# KiCad board central-control-unit.kicad_pcb (continued)
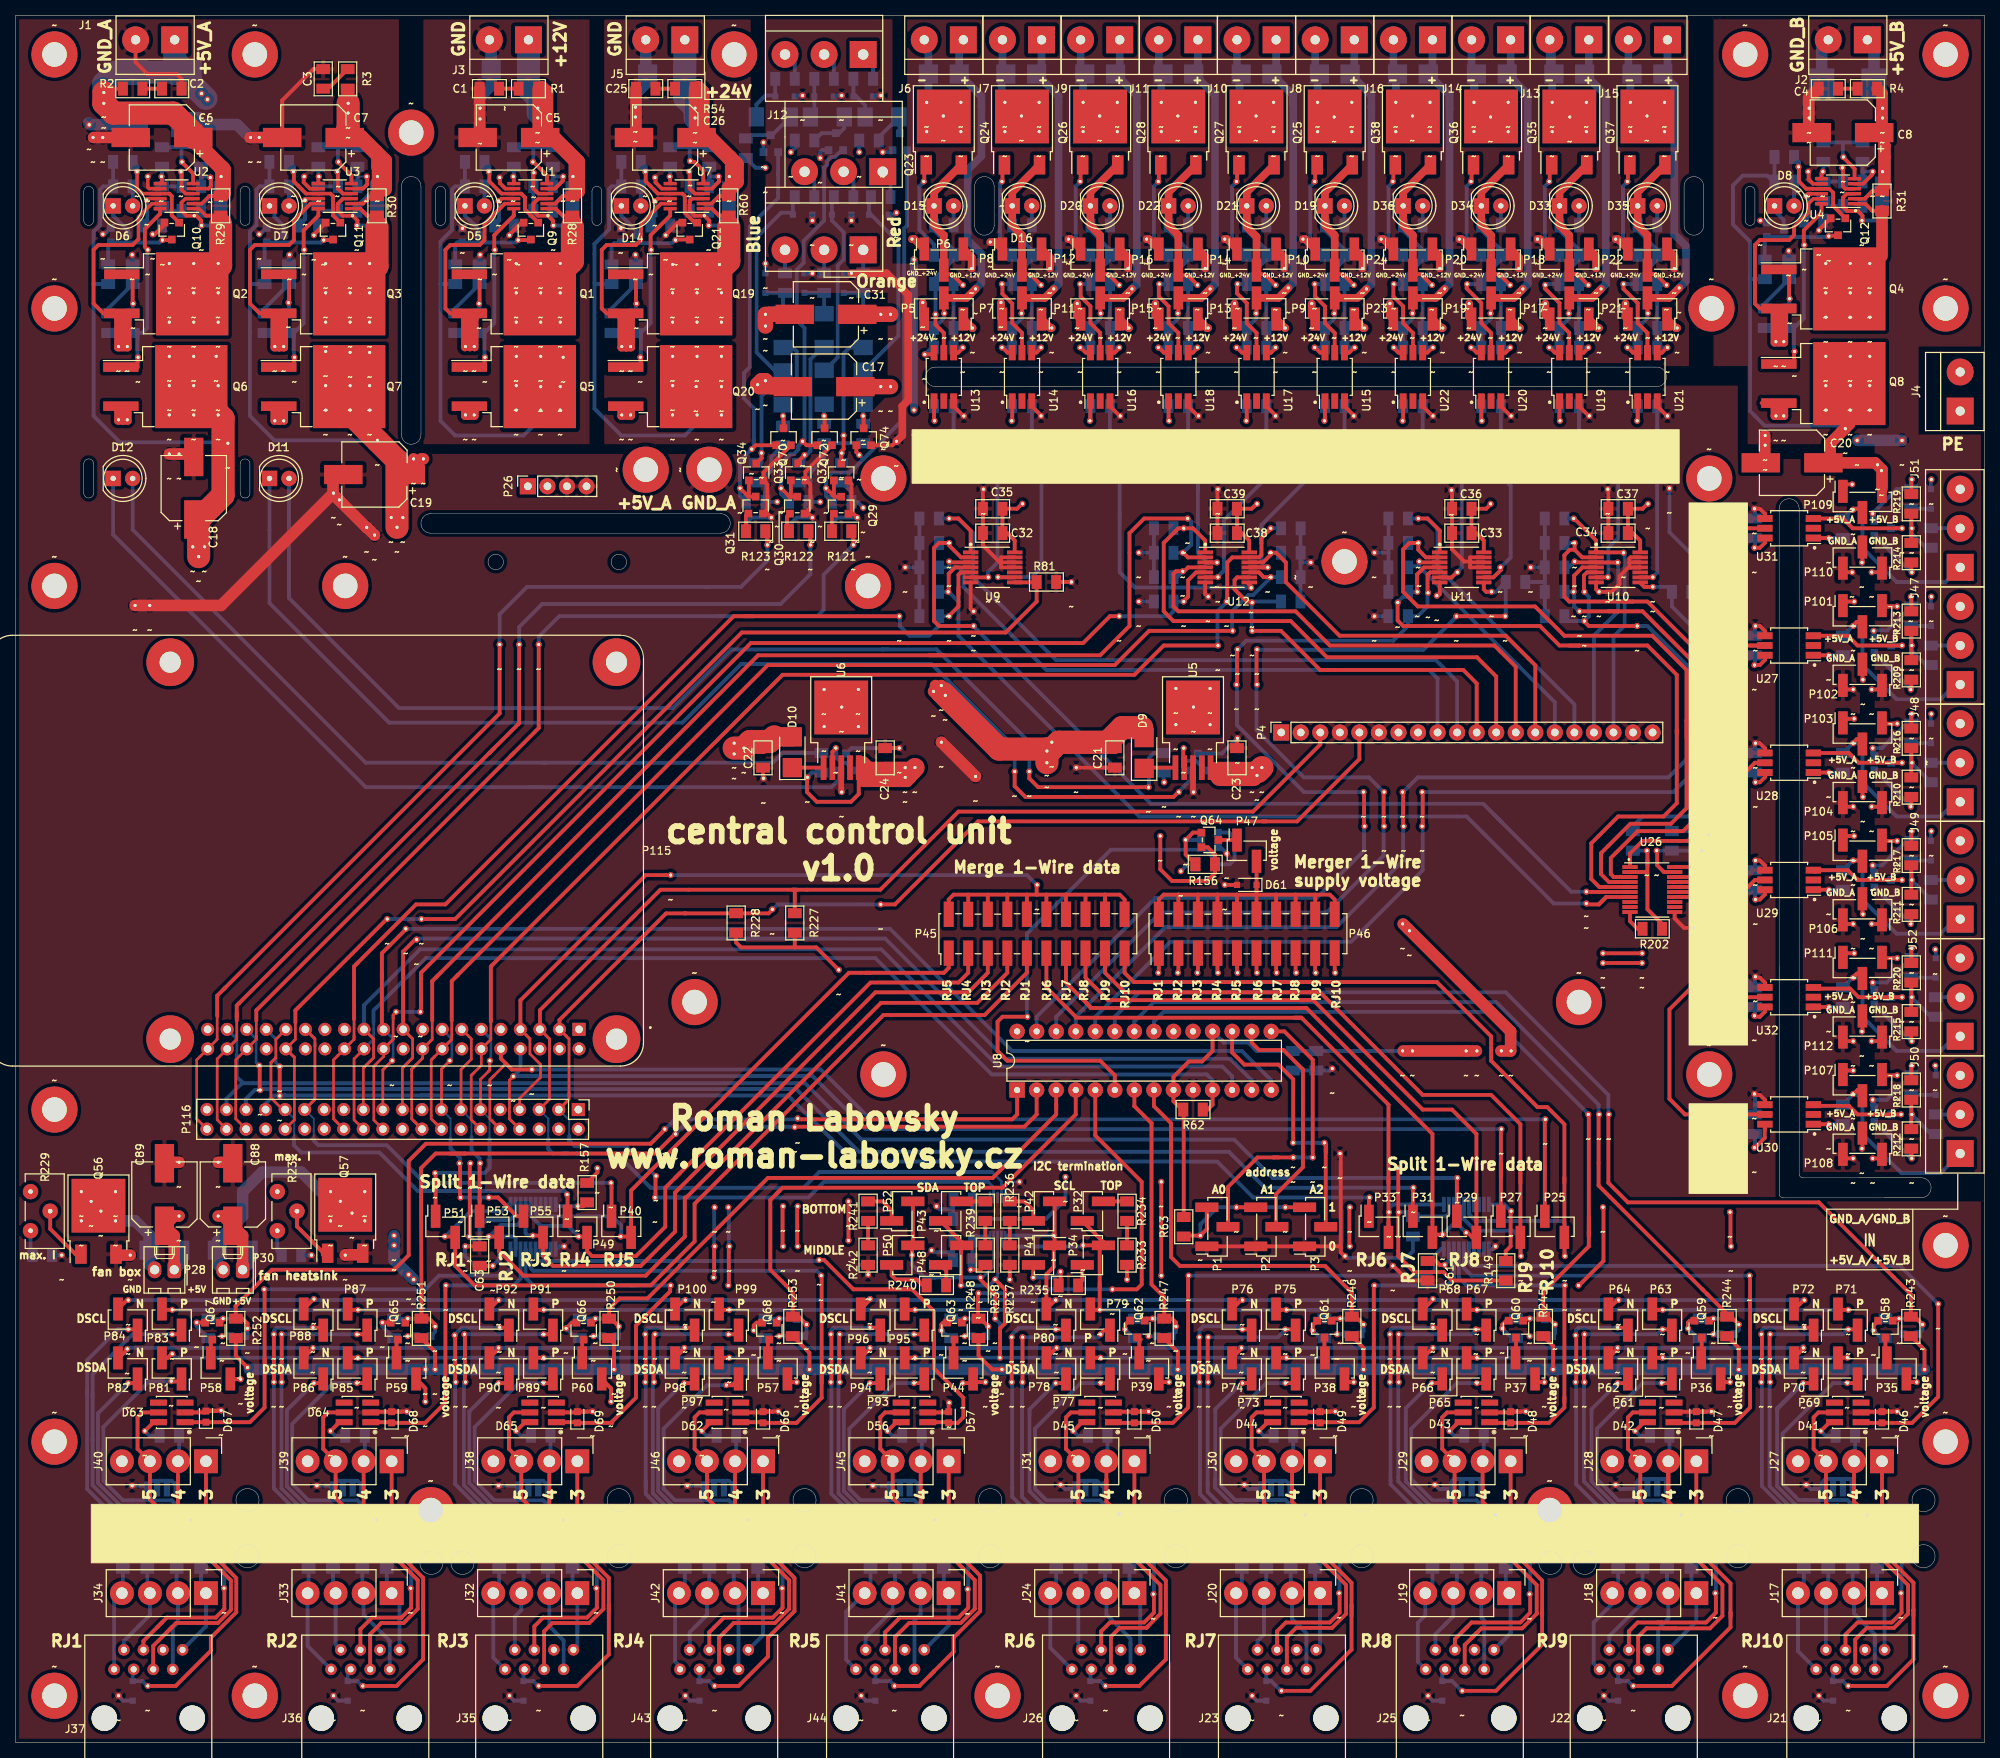
[diagram p0: board, top side]
## Routing (per net, layer and track width the routed paths; a pad name or vN(x,y) marks a point on that pad's centre or on a via; arc(x,y) is an arc through that point) (continued)
Net-(D78-Pad2): length 34.3
  Top w0.5: 136.12,46.86 P78.1 ; P78.1 136,46.74 ~#155.~ ; P78.1 136.42,47.37
  Bottom w0.5: D78.2 140.34,28.96 ; D78.2 140.34,26.42 R179.2 ; D78.2 140.34,30.16 139.7,30.8 133.7,30.8 131.79,32.7 131.79,43.34 ~#155.~
Net-(D78-Pad3): length 47.2
  Top w0.5: 140.97,53.09 141.5,53.62 P79.1 142.14,53.62 ; 130.87,48.64 130.87,49.02 ; 130.87,49.02 ~#1049.~ ; 130.87,49.02 ~#237.~
  Bottom w0.5: 130.81,33.21 130.81,46.55 130.87,46.61 ~#1049.~ ; 130.81,33.21 130.81,32.77 ; 130.81,33.21 130.81,31.94 132.65,30.1 138.56,30.1 139.07,29.59 D78.3 139.07,25.78 R180.2 ; 131.21,52.69 140.73,52.69 140.97,52.92 140.97,53.09
Net-(D78-Pad4): length 44.4
  Top w0.5: 135.26,53.72 136.42,53.72 P80.1 ; 129.48,49.15 ~#238.~ ; 129.48,49.15 129.48,48.64 ; 129.48,49.15 ~#236.~
  Bottom w0.5: 129.54,32.97 129.54,33.21 ; 129.54,33.21 129.54,31.94 132.08,29.4 134.62,29.4 ; 129.54,33.21 129.54,46.55 129.48,46.61 ~#238.~ ; 134.62,29.4 133.75,29.4 ; 134.62,29.4 137.36,29.4 137.8,28.96 D78.4 137.58,27.47 R181.2 ; 129.54,53.09 130.39,53.94 135.04,53.94 135.26,53.72
Net-(D79-Pad1): length 39.4
  Top w0.5: P81.1 21.27,46.95 20.32,46.95
  Bottom w0.5: 20.32,46.95 17.36,46.95 11.43,41.02 11.43,37.85 ; 11.43,37.85 11.43,34.04 13.97,31.5 15.24,31.5 ; 11.43,37.85 11.43,38.48 ; 15.24,31.5 20.32,31.5 20.95,30.86 D79.1 21.81,27.47 R182.2 ; 15.24,31.5 14.6,31.5
Net-(D79-Pad2): length 32.5
  Top w0.5: ~#83.~ 15.35,46.74 P82.1 15.56,46.95
  Bottom w0.5: ~#83.~ 10.73,42.8 10.73,33.75 13.68,30.8 19.12,30.8 19.69,30.23 D79.2 19.69,26.42 R183.2
Net-(D79-Pad3): length 44.8
  Top w0.5: 21.48,53.72 P83.1 21.06,53.09 20.32,53.09
  Bottom w0.5: 10.03,39.25 10.03,33.46 13.39,30.1 17.91,30.1 18.41,29.59 D79.3 18.41,26.42 R184.2 ; 10.03,39.25 10.03,44.96 ; 10.03,39.25 10.03,39.62 ; 18.41,53.09 20.32,53.09 ; 18.41,53.09 17.78,53.09 ; 18.41,53.09 15.24,53.09 10.03,47.88 10.03,44.96 ; 10.03,44.96 10.03,45.34
Net-(D79-Pad4): length 40.7
  Top w0.5: P84.1 15.77,53.72 14.6,53.72
  Bottom w0.5: 9.33,45.27 9.33,49.72 13.33,53.72 14.6,53.72 ; 9.33,45.27 9.33,32.96 13.33,28.96 17.15,28.96 D79.4 16.29,27.47 R185.2 ; 9.33,45.27 9.33,45.91
Net-(D80-Pad1): length 37.8
  Top w0.5: P85.1 45.19,46.74 44.45,46.74
  Bottom w0.5: 44.45,46.74 41.27,46.74 35.97,41.44 35.97,33.62 38.1,31.5 44.45,31.5 45.09,30.86 D80.1 45.94,27.47 R186.2
Net-(D80-Pad2): length 32.7
  Top w0.5: 39.6,46.86 P86.1 ; P86.1 39.83,47.09 ; P86.1 39.48,46.74 ~#189.~
  Bottom w0.5: R187.2 43.81,26.42 D80.2 43.81,30.23 43.25,30.8 37.81,30.8 35.27,33.33 35.27,43.21 38.93,46.86
Net-(D80-Pad3): length 46.5
  Top w0.5: 44.45,53.09 45.19,53.09 P87.1 ; 34.61,49.4 ~#191.~ ; 34.61,49.4 ~#173.~ ; 34.61,49.4 34.61,48.77
  Bottom w0.5: R188.2 42.55,26.42 D80.3 42.55,29.59 42.04,30.1 37.52,30.1 34.57,33.04 34.57,46.83 ~#191.~ ; 44.45,53.09 34.54,53.09
Net-(D80-Pad4): length 43.5
  Top w0.5: 33.59,48.77 33.59,49.02 ; 33.59,49.02 ~#1005.~ ; 33.59,49.02 ~#190.~ ; 38.73,53.94 39.68,53.94 P88.1
  Bottom w0.5: D80.4 40.42,27.47 R189.2 ; D80.4 41.27,28.96 40.84,29.4 37.23,29.4 33.76,32.87 ; D80.4 41.27,28.32 ; 33.76,32.87 33.66,32.97 ; 33.76,32.87 33.59,33.03 ~#1005.~ ; 33.66,53.09 33.66,53.65 33.94,53.94 38.73,53.94
Net-(D81-Pad1): length 38.1
  Top w0.5: P89.1 69.32,46.74 68.58,46.74
  Bottom w0.5: 68.58,46.74 65.41,46.74 59.69,41.02 59.69,34.04 62.23,31.5 68.58,31.5 69.22,30.86 D81.1 70.07,27.47 R190.2
Net-(D81-Pad2): length 33
  Top w0.5: ~#171.~ 63.61,46.74 P90.1 ; 63.73,46.86 P90.1 ; P90.1 64.03,47.37
  Bottom w0.5: 62.8,46.86 58.99,43.05 58.99,33.75 61.94,30.8 67.38,30.8 67.94,30.23 D81.2 67.94,26.42 R191.2
Net-(D81-Pad3): length 46.5
  Top w0.5: 58.42,49.09 58.42,46.93 ~#201.~ ; 58.42,49.09 58.42,53.09 ; 58.42,49.09 58.42,48.64 ; P91.1 69.32,53.09 68.58,53.09
  Bottom w0.5: R192.2 66.67,25.78 D81.3 66.67,29.59 66.17,30.1 61.65,30.1 58.29,33.46 58.29,46.68 58.48,46.86 ~#201.~ ; 58.42,53.09 68.58,53.09
Net-(D81-Pad4): length 42.3
  Top w0.5: P92.1 63.81,53.94 62.86,53.94 ; ~#202.~ 57.15,46.93 57.15,52.87
  Bottom w0.5: ~#202.~ 57.21,46.61 57.15,46.55 57.15,33.61 61.36,29.4 64.98,29.4 65.41,28.97 D81.4 64.55,27.47 62.86,25.78 R193.2 ; 62.86,53.94 58,53.94 57.15,53.09
Net-(D82-Pad1): length 37.8
  Top w0.5: P93.1 117.58,46.74 116.84,46.74
  Bottom w0.5: R194.2 118.33,27.47 D82.1 117.48,30.86 116.8,31.54 109.82,31.54 108.36,32.99 108.36,40.8 114.3,46.74 116.84,46.74
Net-(D82-Pad2): length 32.9
  Top w0.5: ~#160.~ 111.86,46.74 P94.1 ; 112.29,47.37 P94.1 ; P94.1 111.99,46.86
  Bottom w0.5: R195.2 116.2,26.42 D82.2 116.2,30.2 115.57,30.84 109.53,30.84 107.66,32.7 107.66,43.34 ~#160.~
Net-(D82-Pad3): length 46.7
  Top w0.5: 107.06,49.34 107.06,53.09 ; 107.06,49.34 107.06,46.93 ~#226.~ ; 107.06,49.34 107.06,48.64 ; 116.84,53.09 117.58,53.09 P95.1
  Bottom w0.5: ~#226.~ 107,46.86 106.96,46.9 106.96,32.41 109.24,30.14 114.39,30.14 114.94,29.59 D82.3 114.94,25.78 R196.2 ; 107.06,53.09 116.84,53.09
Net-(D82-Pad4): length 44.9
  Top w0.5: 111.12,53.94 112.08,53.94 P96.1 ; 106.05,53.09 106.05,49.09 ; 106.05,49.09 106.05,46.93 ~#225.~ ; 106.05,49.09 106.05,48.64
  Bottom w0.5: 111.12,53.94 106.33,53.94 ; 106.33,53.94 106.05,53.65 ; 106.33,53.94 106.05,53.65 ; 106.33,53.94 108.37,53.94 ; ~#225.~ 105.98,46.61 106.05,46.55 106.05,32.34 108.95,29.44 113.2,29.44 113.66,28.97 D82.4 113.44,27.47 R197.2 ; 106.05,53.09 106.05,53.65
Net-(D83-Pad1): length 37.8
  Top w0.5: 93.98,47.27 93.17,46.45 92.36,46.45
  Bottom w0.5: 92.36,46.45 89.89,46.45 84.23,40.8 84.23,32.99 85.72,31.5 92.71,31.5 93.34,30.86 D83.1 94.2,27.47 R198.2
Net-(D83-Pad2): length 33
  Top w0.5: ~#163.~ 87.73,46.74 P98.1 ; 87.86,46.86 P98.1 ; P98.1 88.16,47.37
  Bottom w0.5: R199.2 92.08,26.42 D83.2 92.08,30.23 91.51,30.8 85.44,30.8 83.53,32.7 83.53,43.47 86.93,46.86
Net-(D83-Pad3): length 45.9
  Top w0.5: ~#212.~ 82.93,46.93 82.93,53.05 82.97,53.09 ; 92.71,53.09 93.45,53.09 93.98,53.62
  Bottom w0.5: 82.97,53.09 92.71,53.09 ; R200.2 90.8,25.78 D83.3 90.8,29.59 90.3,30.1 85.15,30.1 82.83,32.41 82.83,46.7 ~#212.~
Net-(D83-Pad4): length 45
  Top w0.5: P100.1 87.94,53.94 87,53.94 ; 81.91,53.09 81.91,46.93 ~#211.~
  Bottom w0.5: D83.4 89.53,28.96 ; D83.4 88.68,27.47 87,25.78 R201.2 ; D83.4 89.53,28.97 89.11,29.4 84.86,29.4 81.91,32.34 81.91,34.04 ; 87,53.94 82.13,53.94 81.91,53.72 81.91,53.09 ; 81.91,34.04 81.91,46.55 81.85,46.61 ~#211.~ ; 81.91,34.04 81.91,32.97
Net-(D90-Pad1): length 6.8
  Bottom w0.5: 98.74,216.41 98.74,214.12 97.47,214.12 96.29,212.94 D90.1
Net-(D90-Pad2): length 6.9
  Bottom w0.5: D90.2 98.33,208.97 Q69.3 95.62,208.97 95.19,208.53 R254.2
Net-(D91-Pad1): length 27.8
  Bottom w0.5: D91.1 98.74,178.31 96.33,180.72 96.33,195.71 99.5,198.88 101.03,198.88 101.03,200.91 101.28,201.17
Net-(D91-Pad2): length 4.3
  Top w0.5: ~#1114.~ 99.82,172.4 Q70.3
  Bottom w0.5: R255.2 D91.2
Net-(D92-Pad2): length 6.7
  Bottom w0.5: 112.46,208.28 R256.2 112.2,208.71 D92.2 114.93,211.22 Q71.3 114.83,209.32
Net-(D93-Pad1): length 24.6
  Bottom w0.5: 106.36,201.17 106.11,200.91 106.11,197.87 107.63,196.34 107.63,192.79 106.86,192.01 106.86,180.07 105.17,178.39 D93.1
Net-(D93-Pad2): length 4.8
  Top w0.5: Q72.3 105.16,172.4 ~#1113.~
  Bottom w0.5: 105.09,172.72 D93.2 104.84,173.74 ; 105.09,172.72 ~#1113.~ ; 105.09,172.72 R257.2
Net-(D94-Pad1): length 5.3
  Bottom w0.5: 103.82,216.41 103.82,211.84 D94.1
Net-(D94-Pad2): length 6.3
  Bottom w0.5: D94.2 107.71,209.89 107.05,209.23 Q73.3 104.77,209.23 R258.2 104.08,208.28
Net-(D95-Pad2): length 4.2
  Top w0.5: ~#1116.~ 110.24,172.4 Q74.3
  Bottom w0.5: D95.2 R259.2
Net-(D100-Pad1): length 6.4
  Bottom w0.5: 108.9,216.41 108.9,213.87 108.9,214.12 109.16,214.12 110.43,212.85 D92.1
Net-(D101-Pad1): length 26.4
  Bottom w0.5: D95.1 110.25,178.39 114.74,182.88 114.74,195.07 110.93,198.88 110.93,200.91 111.19,201.17
Net-(J47-Pad1): length 24.6
  Top w0.5: 238.76,145.16 239.29,145.69 240.03,145.69
  Bottom w0.5: 237.49,143.89 238.76,145.16 239.4,145.16 240.03,144.53 240.03,140.08 244.48,135.64 250.19,135.64 252.09,137.54 J47.1
Net-(J47-Pad2): length 3.8
  Bottom w0.5: J47.2 R221.1
Net-(J48-Pad1): length 24.6
  Top w0.5: 240.03,130.45 239.29,130.45 238.76,129.92
  Bottom w0.5: J48.1 252.09,122.3 250.19,120.4 244.48,120.4 240.03,124.84 240.03,129.29 239.4,129.92 238.76,129.92 R204.1
Net-(J48-Pad2): length 3.8
  Bottom w0.5: R222.1 J48.2
Net-(J49-Pad1): length 24.6
  Top w0.5: 240.03,115.21 239.5,114.68 238.76,114.68
  Bottom w0.5: J49.1 252.09,107.06 250.19,105.16 244.48,105.16 240.03,109.6 240.03,114.05 239.4,114.68 238.76,114.68 R205.1
Net-(J49-Pad2): length 3.8
  Bottom w0.5: 248.92,112.14 J49.2
Net-(J50-Pad1): length 25.2
  Top w0.5: 238.76,84.2 239.4,84.84 239.5,84.73 240.03,84.73
  Bottom w0.5: R206.1 238.76,84.2 239.4,84.2 240.03,83.57 240.03,79.12 245.11,74.04 250.19,74.04 J50.1
Net-(J50-Pad2): length 3.2
  Bottom w0.5: R224.1 J50.2
Net-(J51-Pad1): length 24.6
  Top w0.5: 240.03,160.93 239.5,160.4 238.76,160.4
  Bottom w0.5: J51.1 250.83,150.88 244.48,150.88 240.03,155.32 240.03,159.77 239.4,160.4 238.76,160.4 R207.1
Net-(J51-Pad2): length 3.8
  Bottom w0.5: J51.2 R225.1
Net-(J52-Pad1): length 24.6
  Top w0.5: 238.76,99.44 239.29,99.97 240.03,99.97
  Bottom w0.5: R208.1 238.76,99.44 239.4,99.44 240.03,98.81 240.03,94.36 244.48,89.92 250.19,89.92 252.09,91.82 J52.1
Net-(J52-Pad2): length 3.2
  Bottom w0.5: J52.2 R226.1
Net-(P1-Pad3): length 25.6
  Top w0.5: 165.1,69.6 P3.3 ; 158.75,69.6 P2.3 ; 154.84,68.88 154.84,66.76 ~#114.~ 151.57,65.91 151.45,65.79 ; 154.84,68.88 P1.3 ; 154.84,68.88 154.84,68.22
  Bottom w0.5: 165.1,69.6 156.21,69.6 153.99,67.37 ~#114.~
Net-(P32-Pad2): length 3.1
  Top w0.5: P32.2 R234.2
Net-(P34-Pad1): length 2.8
  Top w0.5: 138.64,62.1 138.64,60.09 138.11,59.56
Net-(P35-Pad1): length 2.7
  Top w0.5: P35.1 243.01,50.21 Q58.3
Net-(P36-Pad1): length 2.7
  Top w0.5: P36.1 219.14,50.08 Q59.3
Net-(P37-Pad1): length 2.7
  Top w0.5: Q60.3 195.01,50.08 P37.1
Net-(P38-Pad1): length 2.7
  Top w0.5: P38.1 170.12,50.08 Q61.3
Net-(P39-Pad1): length 2.5
  Top w0.5: 146.24,52.39 146.05,52.2 P39.1
Net-(P41-Pad2): length 7.3
  Top w0.5: ~#993.~ 135.83,59.82 135.57,59.56 ; 132.29,62.1 132.27,62.08 ~#1001.~
  Bottom w0.5: ~#1001.~ 135.06,60.45 ~#993.~
Net-(P42-Pad1): length 4.9
  Top w0.5: R236.1 131.13,70.36 132.29,69.19 P42.1
Net-(P43-Pad2): length 3.1
  Top w0.5: P43.2 R239.2
Net-(P44-Pad1): length 2.4
  Top w0.5: Q63.3 121.92,52.29 P44.1
Net-(P47-Pad1): length 2.6
  Top w0.5: Q64.3 158.73,117.35 P47.1 158.65,117.22
Net-(P48-Pad1): length 2.8
  Top w0.5: 120.97,59.56 120.97,61.36 120.23,62.1
Net-(P50-Pad2): length 6.4
  Top w0.5: 113.88,62.1 113.88,60.73 114.41,60.2 117.16,60.2 117.79,59.56 118.43,59.56
Net-(P52-Pad1): length 4.9
  Top w0.5: R241.1 112.71,70.36 113.88,69.19 P52.1
Net-(P57-Pad1): length 2.5
  Top w0.5: 97.79,50.02 97.79,52.2 Q68.3
Net-(P58-Pad1): length 2.7
  Top w0.5: 25.59,52.65 25.4,52.46 P58.1
Net-(P59-Pad1): length 2.5
  Top w0.5: P59.1 49.53,52.2 Q65.3
Net-(P60-Pad1): length 2.5
  Top w0.5: P60.1 73.66,52.2 Q66.3
Net-(Q1-Pad1): length 6
  Top w0.5: Q1.1 59.69,190.88 60.33,190.25 60.33,189.61 60.33,187.07
  Bottom w0.5: R32.1 60.33,187.07
Net-(Q1-Pad2): length 76
  Top w0.25: 63.08,199.56 60.96,197.44
  Top w0.45: U1.11 63.59,200.07
  Top w0.5: 63.59,200.07 60.96,197.44 60.96,195.33 60.33,194.69 56.52,194.69 55.88,194.06 55.88,186.44 56.52,185.8 Q1.2
  Top w1: Q1.2 59.69,185.11 59.69,181.36 ; Q1.2 58.42,185.23 58.42,181.36 ; Q1.2 59.05,185.74 59.05,181.36 ; Q5.2 58.42,173.16 58.42,172.47 58.94,172.47 ; Q5.2 59,172.53 58.94,172.47 ; Q5.2 59.69,173.04 59.69,172.47 58.94,172.47
  PWR.Cu w1: 59.05,181.36 59.05,173.1 ; 59.69,178.82 58.42,178.82 ; 59.69,181.36 59.69,172.47 58.42,172.47 58.42,181.36 59.69,181.36
Net-(Q1-Pad3): length 19.6
  Top w0.45: 69.07,199.42 70.2,199.42
  Top w0.5: R28.1 71.12,198.5 70.2,199.42
  Top w2: 72.39,197.99 72.39,192.59
  Top w3: 72.39,197.04 72.39,192.59 Q1.3
Net-(Q2-Pad1): length 7.9
  Top w0.5: Q2.1 13.97,190.88 ; Q2.1 14.6,190.88 15.24,190.25 15.24,187.07 ; Q2.1 15.24,190.88 ; Q2.1 13.97,190.74
  Bottom w0.5: R33.1 15.24,187.07
Net-(Q2-Pad2): length 76.7
  Top w0.45: U2.11 17.75,200.07 16,198.32 16,195.45
  Top w0.5: 14.6,185.8 Q2.2 11.43,185.8 10.16,187.07 10.16,194.06 10.79,194.69 15.24,194.69 16,195.45
  Top w1: Q2.2 13.33,185.31 13.33,181.36 14.6,181.36 14.6,185.02 Q2.2 ; Q2.2 13.83,182.14 ; 14.16,173.29 14.6,172.84 14.6,171.83 13.97,171.83 ; 14.16,173.29 13.97,173.1 13.97,171.83 ; 14.16,173.29 13.71,173.74 13.33,173.36 13.33,171.83 13.97,171.83
  PWR.Cu w1: 13.97,181.36 13.33,181.36 13.33,171.83 14.6,171.83 14.6,181.36 13.97,181.36 ; 13.97,181.36 13.97,172.47
Net-(Q2-Pad3): length 13.9
  Top w0.45: U2.1 23.85,199.42 24.77,198.5
  Top w0.5: 24.77,198.5 26.03,198.5
  Top w3: 26.67,197.36 26.67,192.04 Q2.3
Net-(Q3-Pad1): length 6.4
  Top w0.5: Q3.1 35.56,190.88 35.56,187.07
  Bottom w0.5: R34.1 35.56,187.07
Net-(Q3-Pad2): length 79.7
  Top w0.25: 38.36,200.07 U3.11 38.39,200.07 ; 39.76,200.07 38.66,200.07
  Top w0.5: 38.36,200.07 36.2,197.9 36.2,195.33 35.56,194.69 31.11,194.69 30.48,194.06 30.48,187.07 31.75,185.8 Q3.2 ; Q7.2 34.23,173.8
  Top w1: 34.29,181.36 34.29,185.74 Q3.2 ; 34.29,181.36 34.92,181.36 34.92,185.11 Q3.2 ; 34.29,181.36 33.66,181.36 33.66,185.23 Q3.2 ; 34.29,171.83 34.92,171.83 34.92,173.04 Q7.2 33.66,173.16 33.66,171.83 34.29,171.83 ; 34.29,171.83 34.29,173.1
  PWR.Cu w1: 33.66,171.83 33.66,181.36 34.92,181.36 34.92,171.83 33.66,171.83 ; 33.66,171.83 34.29,172.47 34.29,181.36
Net-(Q3-Pad3): length 28.6
  Top w0.45: 44.06,199.42 44.8,199.42
  Top w0.5: 44.8,199.42 45.72,198.5 R30.1 46.99,190.45 ; 42.55,189.18 Q3.3
  Top w1.5: 46.99,197.8 46.99,191.95
  Top w3: Q3.3 46.99,191.95 46.99,197.04
Net-(Q4-Pad1): length 6
  Top w0.5: Q4.1 229.87,191.52 230.51,190.88 230.51,187.71
  Bottom w0.5: 230.51,187.71 R35.1
Net-(Q4-Pad2): length 83.1
  Top w0.45: U4.11 233.66,200.7 232.98,200.03 232.98,198.88 231.14,197.04
  Top w0.5: Q4.2 226.7,186.44 226.06,187.07 226.06,194.69 226.7,195.33 230.51,195.33 231.14,195.96 231.14,197.04 ; 226.93,174.14 Q8.2
  Top w1: 229.12,172.47 228.6,172.47 ; 229.12,172.47 229.18,172.53 ; 229.12,172.47 229.87,172.47 ; 228.6,172.47 228.6,173.56 Q8.2 ; 228.6,172.47 229.18,173.04 229.18,173.16 ; Q8.2 229.18,172.53 ; Q8.2 229.18,173.16 ; Q8.2 229.18,173.68 ; Q8.2 229.87,173.44 229.87,172.47 ; 229.18,172.53 229.81,172.53 229.87,172.47 ; 229.87,172.47 229.18,173.16 ; Q4.2 228.6,185.86 228.6,181.99 229.87,181.99 229.87,185.74 Q4.2 ; Q4.2 229.24,186.38 229.24,181.99
  PWR.Cu w1: 228.6,172.47 229.87,172.47 229.87,181.99 229.24,181.99 ; 228.6,172.47 229.24,173.1 229.24,181.99 ; 228.6,172.47 228.6,181.99 229.24,181.99
Net-(Q4-Pad3): length 17.1
  Top w0.25: 240.39,200.05 241.3,199.14
  Top w0.45: U4.1 240.39,200.05
  Top w0.5: R31.1 241.3,199.14 240.41,200.03 240.39,200.03
  Top w1: 242.57,193.22 Q4.3
  Top w1.5: R31.1 242.57,193.22
Net-(Q5-Pad1): length 29.5
  Top w0.25: 62.23,195.33 62.23,194.06
  Top w0.5: 62.23,194.06 62.23,195.96 64.77,198.5 64.77,199.39 ; Q5.1 60.96,178.82 60.96,180.09
  Bottom w0.5: 60.33,183.26 60.96,182.63 60.96,180.09 ; 57.15,183.26 60.96,183.26 62.23,184.53 62.23,194.06
Net-(Q6-Pad1): length 31.5
  Top w0.5: 13.71,178.82 15.88,178.82 15.88,180.09 ; 13.71,178.82 15.24,178.82 ; 13.71,178.82 14.6,178.82 ; 13.71,178.82 13.97,179.08 ; U2.12 18.8,198.75 16.83,196.77 16.83,194.44 ~#422.~
  Bottom w0.5: 15.24,183.26 15.88,182.63 15.88,180.09 ; 15.24,183.26 12.06,183.26 ; 15.24,183.26 16.51,183.26 17.15,183.9 17.15,194.06
Net-(Q7-Pad1): length 28
  Top w0.5: 37.46,194.06 37.46,196.6 39.37,198.5 39.37,199.39 ; 36.2,180.09 36.2,178.82 Q7.1 34.29,178.88
  Bottom w0.5: 35.56,183.26 36.2,182.63 36.2,180.09 ; 35.56,183.26 36.2,183.26 37.46,184.53 37.46,194.06 ; 35.56,183.26 32.38,183.26
Net-(Q8-Pad1): length 28.5
  Top w0.5: 231.14,180.72 231.14,179.45 230.91,179.22 Q8.1 ; 234.71,200.03 234.71,198.89 232.41,196.6 232.41,194.69
  Bottom w0.5: R35.2 231.14,183.26 231.14,180.72 ; R35.2 231.14,183.9 232.41,185.17 ; R35.2 227.97,183.9 ; 232.41,185.17 232.41,194.69 ; 232.41,185.17 231.78,184.53
Net-(Q9-Pad1): length 13.2
  Top w0.25: 62.86,201.68 62.23,202.31
  Top w0.45: 63.17,201.37 U1.9 65.73,201.37
  Top w0.5: Q9.1 66.22,199.32 66.22,200.88 65.73,201.37 ; 63.17,201.37 61.59,202.95 61.59,204.22
  Bottom w0.5: 61.59,204.22 61.59,204.85 R40.2
Net-(Q10-Pad1): length 14.9
  Top w0.25: 21.59,197.25 21.58,197.24 ; 15.88,203.26 15.88,204.22
  Top w0.45: ~#418.~ 15.81,202.06 16.5,201.37 17.79,201.37 ; U2.9 17.79,201.37 ; U2.9 19.99,201.37 ; U2.9 17.7,201.37 ; 17.79,201.37 17.45,201.37
  Top w0.5: 19.99,201.37 20.32,201.04 20.32,198.55 Q10.1
  Bottom w0.5: 15.88,204.22 15.88,204.85 R41.2
Net-(Q10-Pad3): length 12
  Top w0.5: Q10.3 20.25,195.33 19.05,195.33
  Bottom w0.5: 11.7,192.52 R45.2 12.06,194.67 Q14.1 18.73,195.01 19.05,195.33 19.05,195.33 18.73,195.01
Net-(Q11-Pad1): length 13.6
  Top w0.25: 39.76,201.37 38.66,201.37
  Top w0.45: 40.95,201.37 U3.9 37.77,201.37
  Top w0.5: 36.2,204.22 36.2,202.95 37.77,201.37 ; 40.95,201.37 41.27,201.04 41.27,198.55 Q11.1
  Bottom w0.5: 36.2,204.22 36.2,204.85 R42.2
Net-(Q11-Pad3): length 11.8
  Top w0.5: 40,195.33 41.2,195.33 Q11.3
  Bottom w0.5: R46.2 32.38,194.74 Q15.1 39.69,195.01 40,195.33
Net-(Q12-Pad1): length 12.6
  Top w0.25: 234.8,202.1 234.71,202 ; Q12.1 237.81,198.19
  Top w0.45: 233.61,202 235.72,202 236.22,201.5
  Top w0.5: 231.78,204.85 231.78,202.95 232.72,202 233.61,202 ; 237.81,198.19 236.22,199.77 236.22,201.5
  Bottom w0.5: 231.78,204.85 231.78,205.49 R43.2
Net-(Q12-Pad3): length 12.4
  Top w0.5: 235.66,195.89 236.78,195.89 Q12.3
  Bottom w0.5: R47.2 227.33,195.45 Q16.1 235.48,195.72 235.66,195.89
Net-(Q13-Pad1): length 12.7
  Top w0.5: 65.41,195.33 66.92,195.33 Q9.3
  Bottom w0.5: R44.2 57.15,194.74 57.42,195.01 65.09,195.01 65.41,195.33
Net-(Q17-Pad1): length 7.4
  Top w0.5: U5.2 151.77,126.88 151.77,129.29
  Bottom w0.5: 151.77,129.29 151.77,128.02 152.15,127.63 153.42,127.63 154.62,126.43 Q17.1
Net-(Q18-Pad1): length 6.9
  Top w0.5: 106.68,129.29 106.17,128.78 U6.2
  Bottom w0.5: Q18.1 108.9,126.43 107.95,127.38 107.34,127.38 106.68,128.04 106.68,129.29
Net-(Q19-Pad1): length 6.4
  Top w0.5: Q19.1 80.64,190.88 80.64,189.61 80.64,187.07
  Bottom w0.5: R61.1 80.64,187.07
Net-(Q19-Pad2): length 73.6
  Top w0.45: U7.11 83.91,200.07
  Top w0.5: 83.91,200.07 81.28,197.44 81.28,195.33 80.64,194.69 76.83,194.69 76.2,194.06 76.2,186.44 76.83,185.8 Q19.2
  Top w1: 79.38,181.36 78.74,181.36 78.74,185.23 Q19.2 ; 79.38,181.36 79.38,185.74 Q19.2 ; 79.38,181.36 80.01,181.36 80.01,185.11 Q19.2 ; 78.74,172.47 80.01,172.47 80.01,173.04 79.66,173.39 ; 78.74,172.47 79.66,173.39 ; 78.74,172.47 78.74,173.16 Q20.2 79.66,173.39
  PWR.Cu w1: 79.38,172.47 78.74,172.47 78.74,181.36 80.01,181.36 80.01,172.47 79.38,172.47 ; 79.38,172.47 79.38,181.36
Net-(Q19-Pad3): length 25.2
  Top w0.25: U7.1 89.89,199.42
  Top w0.45: U7.1 90.52,199.42
  Top w0.5: 90.52,199.42 91.44,198.5 R60.1
  Top w1.5: 92.08,191.95 Q19.3 ; 92.71,197.99 92.71,192.59
  Top w3: Q19.3 92.71,192.59 92.71,197.04
Net-(Q20-Pad1): length 27.8
  Top w0.5: 82.55,194.06 82.55,195.96 85.09,198.5 85.09,199.39 ; Q20.1 80.64,178.82 81.28,179.45 81.28,180.09
  Bottom w0.5: 80.64,183.26 81.28,183.26 82.55,184.53 82.55,194.06 ; 80.64,183.26 81.28,182.63 81.28,180.09 ; 80.64,183.26 77.47,183.26
Net-(Q21-Pad1): length 13
  Top w0.25: Q21.1 88.27,197.6
  Top w0.45: 86.67,201.37 U7.9 83.5,201.37
  Top w0.5: 81.91,204.22 81.91,202.95 83.5,201.37 ; 86.67,201.37 87,201.04 87,198.87 88.27,197.6
  Bottom w0.5: R65.2 81.91,204.85 81.91,204.22
Net-(Q21-Pad3): length 12.9
  Top w0.5: 85.72,195.33 85.8,195.4 Q21.3
  Bottom w0.5: R66.2 77.47,194.57 77.82,194.93 85.33,194.93 85.72,195.33
Net-(Q23-Pad1): length 13.4
  Top w0.5: 117.98,205.49 Q23.1 118.11,204.84 118.11,202.95
  Bottom w0.5: 118.11,202.95 117.48,202.31 117.48,196.66 119.38,194.75 119.38,193.42
Net-(Q24-Pad1): length 12.9
  Top w0.5: Q24.1 128.27,204.84 128.27,202.95
  Bottom w0.5: 129.54,193.42 128.91,193.42 127.95,194.37 127.95,202.69 ~#447.~
Net-(Q25-Pad1): length 13.2
  Top w0.5: 168.91,202.95 168.91,204.84 Q25.1
  Bottom w0.5: 168.91,202.95 168.28,202.31 168.28,194.69 169.55,193.42 R112.1
Net-(Q26-Pad1): length 13.2
  Top w0.5: Q26.1 138.43,204.84 138.43,202.95
  Bottom w0.5: 138.43,202.95 137.8,202.31 137.8,194.69 139.07,193.42 139.7,193.42
Net-(Q27-Pad1): length 13.2
  Top w0.5: 158.75,202.95 158.75,204.84 Q27.1
  Bottom w0.5: 158.75,202.95 158.12,202.31 158.12,194.69 159.39,193.42 R116.1
Net-(Q28-Pad1): length 13.2
  Top w0.5: Q28.1 148.59,204.84 148.59,202.95
  Bottom w0.5: 148.59,202.95 147.96,202.31 147.96,194.69 149.23,193.42 R117.1
Net-(Q29-Pad1): length 2.4
  Top w0.5: R121.1 106.11,159.51 Q29.1
Net-(Q30-Pad1): length 2.4
  Top w0.5: Q30.1 100.27,159.38 100.27,157.48
Net-(Q31-Pad1): length 2.4
  Top w0.5: Q31.1 94.93,159.46 R123.1
Net-(Q35-Pad1): length 13.2
  Top w0.5: 199.39,202.95 199.39,204.84 Q35.1
  Bottom w0.5: 199.39,202.95 198.76,202.31 198.76,194.69 200.03,193.42 200.66,193.42
Net-(Q36-Pad1): length 13.2
  Top w0.5: Q36.1 189.23,204.84 189.23,202.95
  Bottom w0.5: R146.1 189.87,193.42 188.59,194.69 188.59,202.31 189.23,202.95
Net-(Q37-Pad1): length 13.2
  Top w0.5: 209.55,202.95 209.55,204.84 Q37.1
  Bottom w0.5: 210.82,193.42 210.19,193.42 208.92,194.69 208.92,202.31 209.55,202.95
Net-(Q38-Pad1): length 13.2
  Top w0.5: 179.07,202.95 179.07,204.84 Q38.1
  Bottom w0.5: 179.07,202.95 178.44,202.31 178.44,194.69 179.71,193.42 R148.1
Net-(Q39-Pad3): length 4.3
  Top w0.5: Q58.1 244.23,55.12 ~#1059.~
  Bottom w0.5: R150.2 246.13,55.12 Q39.3
Net-(Q40-Pad3): length 4.3
  Top w0.5: Q59.1 220.36,55.12 ~#1056.~
  Bottom w0.5: Q40.3 222.26,55.12 R151.2
Net-(Q41-Pad3): length 4.7
  Top w0.5: ~#1054.~ 196.23,55.12 Q60.1